# KiCad board backplane.kicad_pcb (continued)
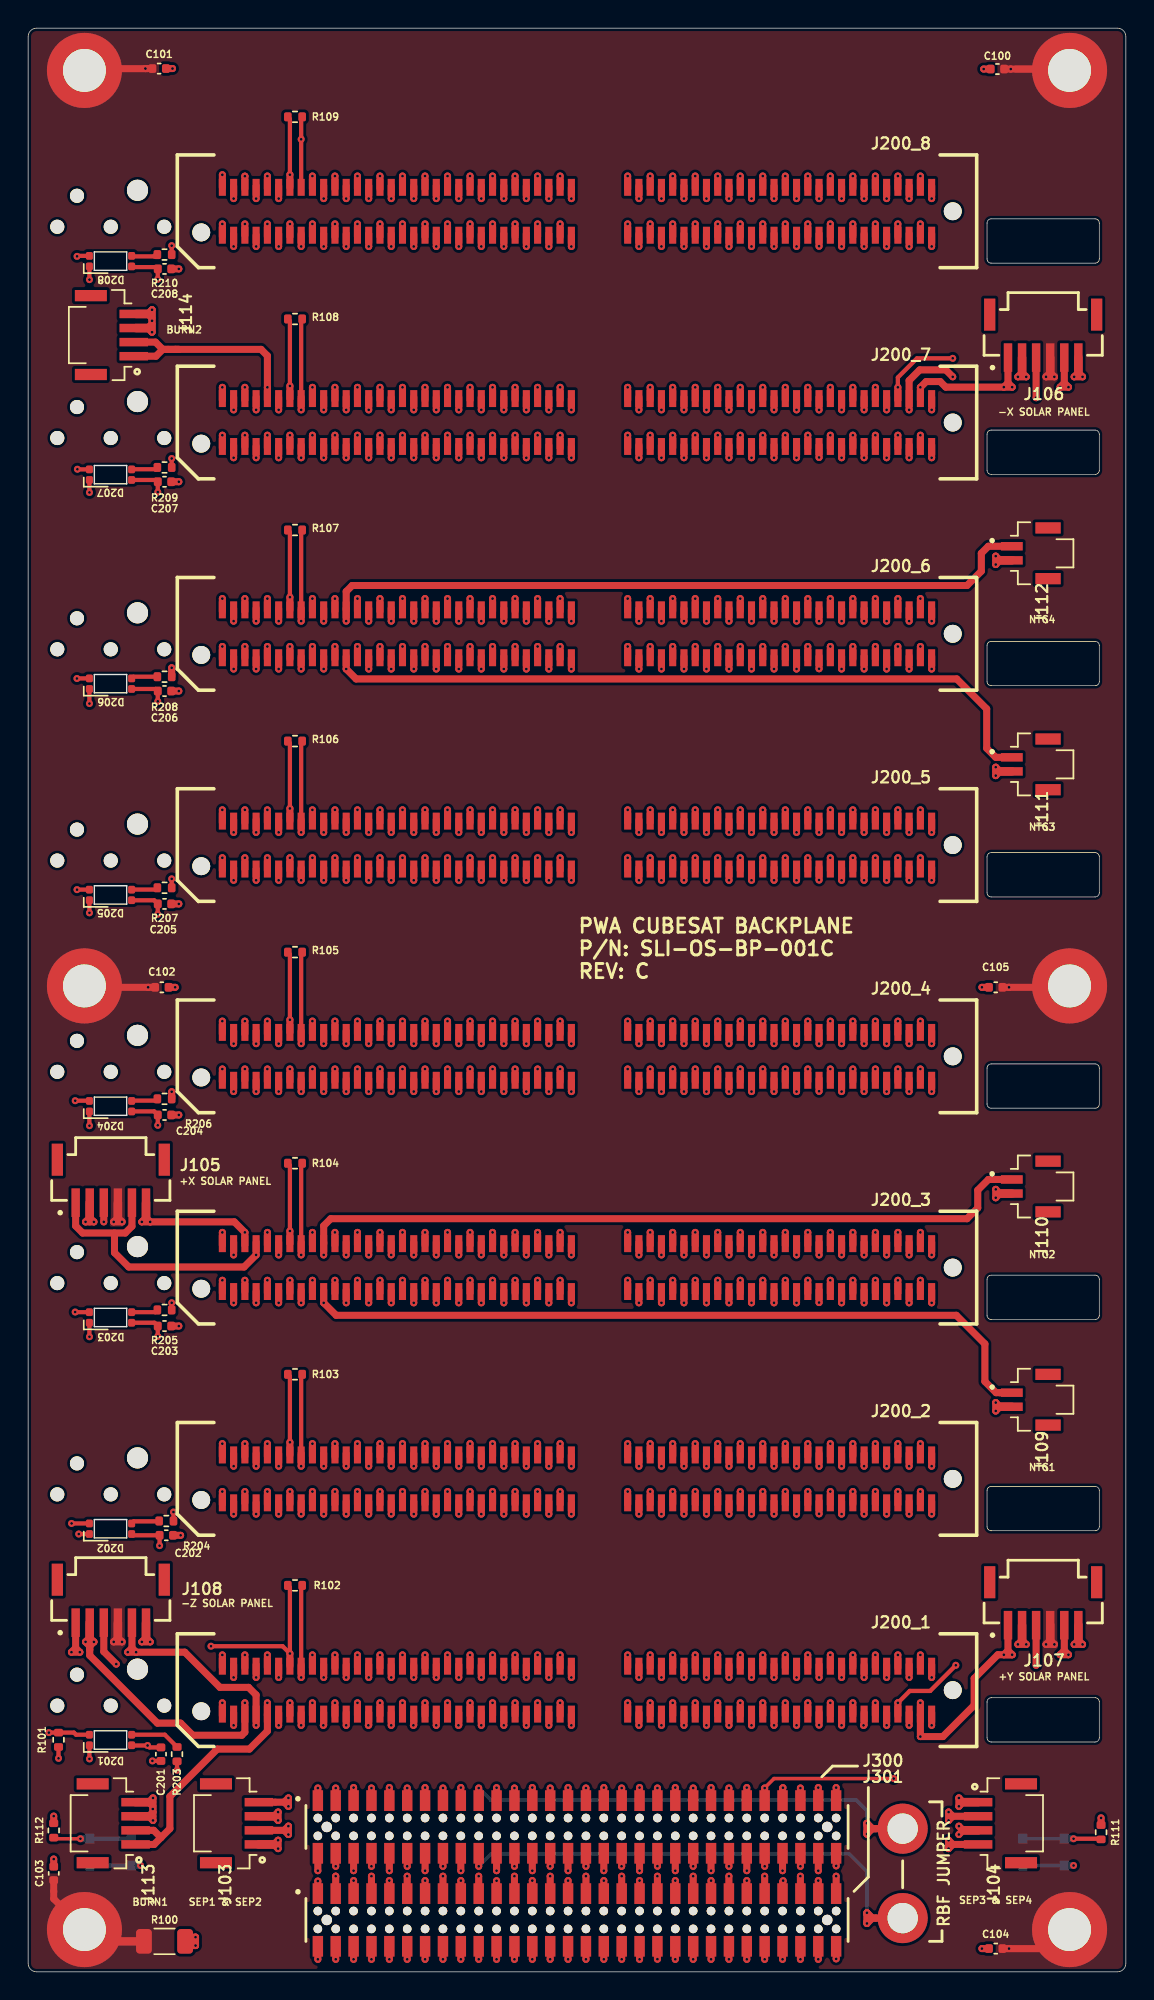
[diagram p0: board, top side]
## Nets (continued)
/H2-24: J200_1.56 J200_2.56 J200_3.56 J200_4.56 J200_5.56 J200_6.56 J200_7.56 J200_8.56 J301.28
/H2-25: J200_1.59 J200_2.59 J200_3.59 J200_4.59 J200_5.59 J200_6.59 J200_7.59 J200_8.59 J301.29
/H2-26: J200_1.60 J200_2.60 J200_3.60 J200_4.60 J200_5.60 J200_6.60 J200_7.60 J200_8.60 J301.30
/H2-27: J200_1.63 J200_2.63 J200_3.63 J200_4.63 J200_5.63 J200_6.63 J200_7.63 J200_8.63 J301.31
/H2-28: J200_1.64 J200_2.64 J200_3.64 J200_4.64 J200_5.64 J200_6.64 J200_7.64 J200_8.64 J301.32
/H2-33: J200_1.75 J200_2.75 J200_3.75 J200_4.75 J200_5.75 J200_6.75 J200_7.75 J200_8.75 J301.37
/H2-34: J200_1.76 J200_2.76 J200_3.76 J200_4.76 J200_5.76 J200_6.76 J200_7.76 J200_8.76 J301.38
/H2-35: J200_1.79 J200_2.79 J200_3.79 J200_4.79 J200_5.79 J200_6.79 J200_7.79 J200_8.79 J301.39
/H2-36: J200_1.80 J200_2.80 J200_3.80 J200_4.80 J200_5.80 J200_6.80 J200_7.80 J200_8.80 J301.40
/H2-37: J200_1.83 J200_2.83 J200_3.83 J200_4.83 J200_5.83 J200_6.83 J200_7.83 J200_8.83 J301.41
/H2-38: J200_1.84 J200_2.84 J200_3.84 J200_4.84 J200_5.84 J200_6.84 J200_7.84 J200_8.84 J301.42
/H2-39: J200_1.87 J200_2.87 J200_3.87 J200_4.87 J200_5.87 J200_6.87 J200_7.87 J200_8.87 J301.43
/H2-40: J200_1.88 J200_2.88 J200_3.88 J200_4.88 J200_5.88 J200_6.88 J200_7.88 J200_8.88 J301.44
/H2-41: J200_1.91 J200_2.91 J200_3.91 J200_4.91 J200_5.91 J200_6.91 J200_7.91 J200_8.91 J301.45
/H2-42: J200_1.92 J200_2.92 J200_3.92 J200_4.92 J200_5.92 J200_6.92 J200_7.92 J200_8.92 J301.46
/H2-43: J200_1.95 J200_2.95 J200_3.95 J200_4.95 J200_5.95 J200_6.95 J200_7.95 J200_8.95 J301.47
/H2-44: J200_1.96 J200_2.96 J200_3.96 J200_4.96 J200_5.96 J200_6.96 J200_7.96 J200_8.96 J301.48
/H2-45: J200_1.99 J200_2.99 J200_3.99 J200_4.99 J200_5.99 J200_6.99 J200_7.99 J200_8.99 J301.49
/H2-46: J200_1.100 J200_2.100 J200_3.100 J200_4.100 J200_5.100 J200_6.100 J200_7.100 J200_8.100 J301.50
/H2-49: J200_1.107 J200_2.107 J200_3.107 J200_4.107 J200_5.107 J200_6.107 J200_7.107 J200_8.107 J301.53
/H2-50: J200_1.108 J200_2.108 J200_3.108 J200_4.108 J200_5.108 J200_6.108 J200_7.108 J200_8.108 J301.54
/LED_PWR: C201.1 C202.1 C203.1 C204.1 C205.1 C206.1 C207.1 C208.1 D201.4 D202.4 D203.4 D204.4 D205.4 D206.4 D207.4 D208.4 J200_1.15 J200_2.15 J200_3.15 J200_4.15 J200_5.15 J200_6.15 J200_7.15 J200_8.15 J301.7
/NTC1: J109.1 J200_1.19 J200_2.19 J200_3.19 J200_4.19 J200_5.19 J200_6.19 J200_7.19 J200_8.19 J301.9
/NTC2: J110.1 J200_1.20 J200_2.20 J200_3.20 J200_4.20 J200_5.20 J200_6.20 J200_7.20 J200_8.20 J301.10
/NTC3: J111.1 J200_1.23 J200_2.23 J200_3.23 J200_4.23 J200_5.23 J200_6.23 J200_7.23 J200_8.23 J301.11
/NTC4: J112.1 J200_1.24 J200_2.24 J200_3.24 J200_4.24 J200_5.24 J200_6.24 J200_7.24 J200_8.24 J301.12
/RBF: J200_1.37 J200_2.37 J200_3.37 J200_4.37 J200_5.37 J200_6.37 J200_7.37 J200_8.37 J300.19 P100.1
/RBF_RET: J200_1.38 J200_2.38 J200_3.38 J200_4.38 J200_5.38 J200_6.38 J200_7.38 J200_8.38 J300.20 P101.1
/SELF_TEST: J200_1.101 J200_2.101 J200_3.101 J200_4.101 J200_5.101 J200_6.101 J200_7.101 J200_8.101 J300.51 R111.2
/SEP1: J103.1 J200_1.1 J200_2.1 J200_3.1 J200_4.1 J200_5.1 J200_6.1 J200_7.1 J200_8.1 J300.1
/SEP1_RET: J103.2 J200_1.13 J200_2.13 J200_3.13 J200_4.13 J200_5.13 J200_6.13 J200_7.13 J200_8.13 J300.7
/SEP2: J103.3 J200_1.2 J200_2.2 J200_3.2 J200_4.2 J200_5.2 J200_6.2 J200_7.2 J200_8.2 J300.2
/SEP2_RET: J103.4 J200_1.12 J200_2.12 J200_3.12 J200_4.12 J200_5.12 J200_6.12 J200_7.12 J200_8.12 J301.6
/SEP3: J104.1 J200_1.119 J200_2.119 J200_3.119 J200_4.119 J200_5.119 J200_6.119 J200_7.119 J200_8.119 J301.59
/SEP3_RET: J104.2 J200_1.111 J200_2.111 J200_3.111 J200_4.111 J200_5.111 J200_6.111 J200_7.111 J200_8.111 J301.55
/SEP4: J104.3 J200_1.120 J200_2.120 J200_3.120 J200_4.120 J200_5.120 J200_6.120 J200_7.120 J200_8.120 J301.60
/SEP4_RET: J104.4 J200_1.112 J200_2.112 J200_3.112 J200_4.112 J200_5.112 J200_6.112 J200_7.112 J200_8.112 J301.56
/VBURN1: J113.1 J113.2 J200_1.9 J200_2.9 J200_3.9 J200_4.9 J200_5.9 J200_6.9 J200_7.9 J200_8.9 J300.5
/VBURN2: J114.1 J114.2 J200_1.10 J200_2.10 J200_3.10 J200_4.10 J200_5.10 J200_6.10 J200_7.10 J200_8.10 J300.6
Net-(D201-DIN): D201.3 R203.2
Net-(D202-DIN): D202.3 R204.2
Net-(D202-DOUT): D202.2 R203.1
Net-(D203-DIN): D203.3 R205.2
Net-(D203-DOUT): D203.2 R204.1
Net-(D204-DIN): D204.3 R206.2
Net-(D204-DOUT): D204.2 R205.1
Net-(D205-DIN): D205.3 R207.2
Net-(D205-DOUT): D205.2 R206.1
Net-(D206-DIN): D206.3 R208.2
Net-(D206-DOUT): D206.2 R207.1
Net-(D207-DIN): D207.3 R209.2
Net-(D207-DOUT): D207.2 R208.1
Net-(D208-DIN): D208.3 R210.1
Net-(D208-DOUT): D208.2 R209.1
Net-(R111-Pad1): R111.1 SW101.2
Net-(R112-Pad1): R112.1 SW100.2

Pads without a net: J103 G1 G2; J104 G1 G2; J105 S1 S2; J106 S1 S2; J107 S1 S2; J108 S1 S2; J109 S1 S2; J110 S1 S2; J111 S1 S2; J112 S1 S2; J113 G1 G2; J114 G1 G2

## Via types
v1: diameter 0.5, hole 0.2, Top to Bottom, 1220 vias

## Routing (per net, layer and track width the routed paths; a pad name or vN(x,y) marks a point on that pad's centre or on a via; arc(x,y) is an arc through that point)
/5V_USB: length 134.5
  Top w0.5: v1(44.2,127.5) 44.2,126.6 ; v1(44.2,22.5) 44.2,21.6 ; v1(42.17,7.49) 42.17,7.5 J300.36 ; v1(44.2,67.5) 44.2,66.6 ; v1(44.2,37.5) 44.2,36.6 ; v1(44.2,52.5) 44.2,51.6 ; v1(44.2,97.5) 44.2,96.6 ; v1(44.2,82.5) 44.2,81.6 ; v1(44.2,112.5) 44.2,111.6
  In3.Cu w0.25: v1(44.2,22.5) 44.2,19.95 44.78,19.38 44.78,18.67 44.42,18.31 44.42,17.23 41.54,14.35 41.54,8.13 42.17,7.49
  In3.Cu w0.5: v1(44.2,127.5) 44.2,125.5 45,124.65 45,123.67 44.2,122.87 v1(44.2,112.5) 44.2,110.5 45,109.65 45,108.67 44.2,107.87 v1(44.2,97.5) 44.2,95.5 45,94.65 45,93.67 44.2,92.87 v1(44.2,82.5) 44.2,80.5 45,79.65 45,78.67 44.2,77.87 v1(44.2,67.5) 44.2,65.5 45,64.65 45,63.67 44.2,62.87 v1(44.2,52.5) 44.2,50.5 45,49.65 45,48.67 44.2,47.87 v1(44.2,37.5) 44.2,35.5 45,34.65 45,33.67 44.2,32.87 v1(44.2,22.5)
/AGND: length 130.7
  Top w0.5: v1(45,122.5) 45,123.4 ; v1(45,17.5) 45,18.4 ; v1(45,92.5) 45,93.4 ; v1(45,107.5) 45,108.4 ; v1(45,62.5) 45,63.4 ; J301.35 42.17,6.79 ; v1(45,77.5) 45,78.4 ; v1(45,32.5) 45,33.4 ; v1(45,47.5) 45,48.4
  In4.Cu w0.25: v1(42.17,6.79) 41.82,6.79 41.54,7.07 41.54,14.04 v1(45,17.5)
  In4.Cu w0.5: v1(45,17.5) 45,19.47 44.2,20.28 44.2,21.3 45,22.1 v1(45,32.5) 45,34.47 44.2,35.28 44.2,36.3 45,37.1 45,47.5 ; v1(45,47.5) 45,49.48 44.2,50.28 44.2,51.3 45,52.1 v1(45,62.5) 45,64.48 44.2,65.28 44.2,66.3 45,67.1 v1(45,77.5) 45,79.48 44.2,80.28 44.2,81.3 45,82.1 v1(45,92.5) 45,94.48 44.2,95.28 44.2,96.3 45,97.1 v1(45,107.5) 45,109.48 44.2,110.28 44.2,111.3 45,112.1 v1(45,122.5)
GND: length 1009.5
  Top w0.25: 4.35,105.04 v1(4.36,105.03) ; 4.35,120.15 v1(4.36,120.15) ; 4.35,90.05 v1(4.36,90.05) ; 4.35,15.12 v1(4.36,15.12) ; 4.35,45.09 v1(4.36,45.09) ; 4.35,75.19 v1(4.36,75.19) ; 4.35,60.08 v1(4.36,60.08)
  Top w0.3: D201.1 4.35,15.12 ; D205.1 4.35,75.19 ; v1(3.59,31.09) D202.1 ; D208.1 4.35,120.15 ; D207.1 4.35,105.04 ; D206.1 4.35,90.05 ; v1(8.83,14.97) C201.2 ; D203.1 4.35,45.09 ; D204.1 4.35,60.08
  Top w0.5: v1(27.4,125.9) 27.4,126.8 ; v1(27.4,122.5) 27.4,123.4 ; v1(27.4,20.9) 27.4,21.8 ; v1(27.4,32.5) 27.4,33.4 ; v1(45,20.9) 45,21.8 ; v1(57.8,17.5) 57.8,18.4 ; v1(57.8,20.9) 57.8,21.8 ; v1(43.4,20.9) 43.4,21.8 ; v1(43.4,17.5) 43.4,18.4 ; J301.17 v1(30.75,6.48) ; J301.33 v1(40.91,6.48) ; J301.36 v1(42.17,0.89) ; J301.52 v1(52.33,0.89) ; v1(43.4,47.5) 43.4,48.4 ; v1(27.37,17.5) 27.4,17.53 27.4,18.4 ; C202.2 v1(10.83,30.99) ; v1(11.89,2.46) 11.45,2.46 ; v1(11.89,2.46) 11.6,2.16 v1(11.89,1.87) ; v1(11.89,2.46) v1(11.89,1.87) ; C204.2 v1(10.71,60.84) ; v1(43.4,65.9) 43.4,66.8 ; v1(67.77,1.65) C104.1 ; 8.86,12.05 J113.4 ; v1(27.4,95.9) 27.4,96.8 ; v1(43.4,80.9) 43.4,81.8 ; v1(45,110.9) 45,111.8 ; v1(57.8,110.9) 57.8,111.8 ; 8.86,11.05 J113.3 ; v1(43.4,125.9) 43.4,126.8 ; v1(27.4,107.5) 27.4,108.4 ; v1(43.4,110.9) 43.4,111.8 ; v1(67.77,69.9) C105.1 ; v1(57.8,107.5) 57.8,108.4 ; C103.1 v1(1.82,8.01) ; v1(45,80.9) 45,81.8 ; v1(57.8,50.9) 57.8,51.8 ; 8.87,11.75 8.57,12.05 v1(8.87,12.34) v1(8.87,10.75) 8.57,11.05 8.87,11.34 ; v1(43.4,107.5) 43.4,108.4 ; v1(57.8,62.5) 57.8,63.4 ; v1(8.8,118.01) 8.8,116.46 ; v1(8.8,118.01) 8.51,117.71 8.8,117.41 v1(8.8,118.01) ; C208.2 v1(10.71,120.91) ; v1(67.9,135.1) C100.1 ; v1(27.4,47.5) 27.4,48.4 ; v1(43.4,62.5) 43.4,63.4 ; v1(57.8,122.5) 57.8,123.4 ; v1(11.89,1.87) 11.45,1.87 ; v1(27.4,62.5) 27.4,63.4 ; C207.2 v1(10.71,105.8) ; v1(45,50.9) 45,51.8 ; v1(57.8,92.5) 57.8,93.4 ; v1(57.8,95.9) 57.8,96.8 ; v1(27.4,80.9) 27.4,81.8 ; v1(45,35.9) 45,36.8 ; v1(43.4,32.5) 43.4,33.4 ; v1(10.26,135.13) C101.1 ; v1(43.4,95.9) 43.4,96.8 ; 68.75,100.22 J112.2 ; v1(27.4,110.9) 27.4,111.8 ; v1(43.4,92.5) 43.4,93.4 ; v1(27.4,35.9) 27.4,36.8 ; v1(27.4,50.9) 27.4,51.8 ; J301.34 v1(40.91,0.89) ; v1(27.4,92.5) 27.4,93.4 ; v1(43.4,77.5) 43.4,78.4 ; C203.2 v1(10.71,45.85) ; J301.51 52.33,6.79 ; v1(57.8,47.5) 57.8,48.4 ; v1(43.4,122.5) 43.4,123.4 ; v1(57.8,77.5) 57.8,78.4 ; v1(45,95.9) 45,96.8 ; v1(57.8,35.9) 57.8,36.8 ; v1(43.4,50.9) 43.4,51.8 ; v1(57.8,80.9) 57.8,81.8 ; v1(27.4,65.9) 27.4,66.8 ; J301.18 v1(30.75,0.89) ; v1(27.4,77.5) 27.4,78.4 ; v1(45,65.9) 45,66.8 ; v1(43.4,35.9) 43.4,36.8 ; C206.2 v1(10.71,90.94) ; v1(10.45,69.9) C102.1 ; C205.2 v1(10.71,75.82) ; v1(57.8,65.9) 57.8,66.8 ; 8.42,116.72 7.28,116.72 ; v1(57.8,32.5) 57.8,33.4 ; 68.75,85.23 J111.2 ; v1(57.8,125.9) 57.8,126.8 ; v1(45,125.9) 45,126.8 ; v1(68.75,100.51) 69.05,100.22 v1(68.75,99.92) v1(68.75,100.51) ; v1(68.75,55.56) 69.05,55.26 v1(68.75,54.96) v1(68.75,55.56) ; v1(68.75,84.93) 69.05,85.23 v1(68.75,85.53) v1(68.75,84.93) ; v1(68.75,39.82) 69.05,40.12 v1(68.75,40.42) v1(68.75,39.82) ; v1(8.8,116.41) 8.8,117.01 8.51,116.71 v1(8.8,116.41)
  Top w0.6: 8.51,117.71 7.66,117.71 ; 69.05,100.22 J112.2 ; 8.51,116.71 7.66,116.71 ; 69.05,40.12 J109.2 ; 69.05,85.23 J111.2 ; 69.05,55.26 J110.2 ; 8.7,11.05 J113.3 ; 8.7,12.05 J113.4
  In2.Cu w0.25: v1(43.4,20.9) 43.4,18.94 40.27,15.81 40.27,11.68 ; v1(57.8,20.9) 57.8,18.94 56.91,18.05 56.91,17.37 56.01,16.47 54.9,16.47 51.7,13.27 51.7,1.52 v1(52.33,0.89) ; 41.54,11.69 41.54,14.48 44.42,17.36 44.42,18.12 45,18.7 v1(45,20.9) ; 41.54,11.69 41.54,12.99 ; 41.54,11.69 41.54,1.52 v1(42.17,0.89) ; 40.27,11.68 40.27,1.52 v1(40.91,0.89) ; 40.27,11.68 40.27,12.99 ; v1(27.4,20.9) 27.4,18.94 27.95,18.39 27.95,17.65 30.11,15.49 30.11,1.52 v1(30.75,0.89)
  In2.Cu w0.5: v1(45,125.9) 45,123.68 44.2,122.87 44.2,122.3 45,121.5 v1(45,110.9) ; v1(43.4,125.9) 43.4,123.68 42.6,122.87 42.6,122.3 43.4,121.5 v1(43.4,110.9) ; v1(57.8,125.9) 57.8,123.68 57,122.87 57,122.3 57.8,121.5 v1(57.8,110.9) ; 27.4,110.9 27.4,108.68 26.6,107.87 26.6,107.3 27.4,106.5 v1(27.4,95.9) 27.4,93.68 26.6,92.87 26.6,92.3 27.4,91.5 v1(27.4,80.9) 27.4,78.68 26.6,77.87 26.6,77.3 27.4,76.5 v1(27.4,65.9) 27.4,63.68 26.6,62.87 26.6,62.3 27.4,61.5 v1(27.4,50.9) 27.4,48.68 26.6,47.87 26.6,47.3 27.4,46.5 v1(27.4,35.9) 27.4,33.68 26.6,32.87 26.6,32.3 27.4,31.5 v1(27.4,20.9) ; 57.8,110.9 57.8,108.68 57,107.87 57,107.3 57.8,106.5 v1(57.8,95.9) 57.8,93.68 57,92.87 57,92.3 57.8,91.5 v1(57.8,80.9) 57.8,78.68 57,77.87 57,77.3 57.8,76.5 v1(57.8,65.9) 57.8,63.68 57,62.87 57,62.3 57.8,61.5 v1(57.8,50.9) 57.8,48.68 57,47.87 57,47.3 57.8,46.5 v1(57.8,35.9) 57.8,33.68 57,32.87 57,32.3 57.8,31.5 v1(57.8,20.9) ; 45,110.9 45,108.68 44.2,107.87 44.2,107.3 45,106.5 v1(45,95.9) 45,93.68 44.2,92.87 44.2,92.3 45,91.5 v1(45,80.9) 45,78.68 44.2,77.87 44.2,77.3 45,76.5 v1(45,65.9) 45,63.68 44.2,62.87 44.2,62.3 45,61.5 v1(45,50.9) 45,48.68 44.2,47.87 44.2,47.3 45,46.5 v1(45,35.9) 45,33.68 44.2,32.87 44.2,32.3 45,31.5 v1(45,20.9) ; 43.4,110.9 43.4,108.68 42.6,107.87 42.6,107.3 43.4,106.5 v1(43.4,95.9) 43.4,93.68 42.6,92.87 42.6,92.3 43.4,91.5 v1(43.4,80.9) 43.4,78.68 42.6,77.87 42.6,77.3 43.4,76.5 v1(43.4,65.9) 43.4,63.68 42.6,62.87 42.6,62.3 43.4,61.5 v1(43.4,50.9) 43.4,48.68 42.6,47.87 42.6,47.3 43.4,46.5 v1(43.4,35.9) 43.4,33.68 42.6,32.87 42.6,32.3 43.4,31.5 v1(43.4,20.9) ; v1(27.4,110.9) 27.4,121.5 26.6,122.3 26.6,122.87 27.4,123.68 v1(27.4,125.9)
  In4.Cu w0.25: v1(52.33,6.79) 51.98,6.79 51.7,7.07 51.7,13.27 53.99,15.56 55.86,15.56 v1(57.8,17.5) ; v1(40.91,6.48) 40.55,6.48 40.27,6.76 40.27,14.37 v1(43.4,17.5) ; v1(27.37,17.5) 27.37,16.32 30.11,13.59 30.11,6.76 30.39,6.48 v1(30.75,6.48)
  In4.Cu w0.3: 27.4,17.5 27.4,19.47 26.6,20.28
  In4.Cu w0.5: v1(43.4,17.5) 43.4,19.47 42.6,20.28 42.6,21.3 43.4,22.1 v1(43.4,32.5) 43.4,34.47 42.6,35.28 42.6,36.3 43.4,37.1 43.4,47.5 ; v1(57.8,17.5) 57.8,19.47 57,20.28 57,21.3 57.8,22.1 v1(57.8,32.5) 57.8,34.47 57,35.28 57,36.3 57.8,37.1 57.8,47.5 ; v1(43.4,47.5) 43.4,49.48 42.6,50.28 42.6,51.3 43.4,52.1 v1(43.4,62.5) 43.4,64.48 42.6,65.28 42.6,66.3 43.4,67.1 v1(43.4,77.5) 43.4,79.48 42.6,80.28 42.6,81.3 43.4,82.1 v1(43.4,92.5) 43.4,94.48 42.6,95.28 42.6,96.3 43.4,97.1 v1(43.4,107.5) 43.4,109.48 42.6,110.28 42.6,111.3 43.4,112.1 v1(43.4,122.5) ; v1(57.8,122.5) 57.8,112.1 57,111.3 57,110.28 57.8,109.48 v1(57.8,107.5) 57.8,97.1 57,96.3 57,95.28 57.8,94.48 v1(57.8,92.5) 57.8,82.1 57,81.3 57,80.28 57.8,79.48 v1(57.8,77.5) 57.8,67.1 57,66.3 57,65.28 57.8,64.48 v1(57.8,62.5) 57.8,52.1 57,51.3 57,50.28 57.8,49.48 v1(57.8,47.5) ; 27.4,47.5 27.4,37.1 26.6,36.3 26.6,35.28 27.4,34.47 v1(27.4,32.5) 27.4,22.1 26.6,21.3 26.6,20.28 27.4,19.47 27.4,17.53 v1(27.37,17.5) ; v1(27.4,47.5) 27.4,49.48 26.6,50.28 26.6,51.3 27.4,52.1 v1(27.4,62.5) 27.4,64.48 26.6,65.28 26.6,66.3 27.4,67.1 v1(27.4,77.5) 27.4,79.48 26.6,80.28 26.6,81.3 27.4,82.1 v1(27.4,92.5) 27.4,94.48 26.6,95.28 26.6,96.3 27.4,97.1 v1(27.4,107.5) 27.4,109.48 26.6,110.28 26.6,111.3 27.4,112.1 v1(27.4,122.5)
  Bottom w0.25: SW101.1 SW101.1
  Bottom w0.3: SW100.1 SW100.1
  Bottom w0.5: SW100.1 v1(7.98,7.55) ; SW101.1 v1(74.28,7.55)
  vias: v1(8.8,117.23) v1(8.86,11.56)
/+X_SOLAR_PWR: length 160.3
  Top w0.5: v1(16.2,125.9) 16.2,126.8 ; v1(16.2,20.9) 16.2,21.8 ; J301.4 v1(21.86,0.89) ; v1(16.2,110.9) 16.2,111.8 ; J105.5 7.38,52.93 6.9,52.46 3.87,52.46 3.38,52.96 J105.1 ; v1(16.2,95.9) 16.2,96.8 ; 16.2,51.8 v1(16.2,50.9) 15.34,50.04 7.15,50.04 6.14,51.06 6.14,52.46 ; v1(16.2,80.9) 16.2,81.8 ; v1(16.2,35.9) 16.2,36.8 ; v1(16.2,65.9) 16.2,66.8
  In2.Cu w0.25: v1(16.2,20.9) 16.2,18.94 16.78,18.36 16.78,17.67 19.72,14.72 19.72,2.67 21.5,0.89 v1(21.86,0.89)
  In2.Cu w0.5: v1(16.2,125.9) 16.2,123.68 15.4,122.87 15.4,122.3 16.2,121.5 v1(16.2,110.9) ; 16.2,110.9 16.2,108.68 15.4,107.87 15.4,107.3 16.2,106.5 v1(16.2,95.9) 16.2,93.68 15.4,92.87 15.4,92.3 16.2,91.5 v1(16.2,80.9) 16.2,78.68 15.4,77.87 15.4,77.3 16.2,76.5 v1(16.2,65.9) 16.2,63.68 15.4,62.87 15.4,62.3 16.2,61.5 v1(16.2,50.9) 16.2,48.68 15.4,47.87 15.4,47.3 16.2,46.5 v1(16.2,35.9) 16.2,33.68 15.4,32.87 15.4,32.3 16.2,31.5 v1(16.2,20.9)
/+X_SOLAR_RTN: length 160.7
  Top w0.5: v1(15.4,37.5) 15.4,36.6 ; J300.4 v1(21.86,7.49) ; v1(8.67,53.25) 14.65,53.25 v1(15.4,52.5) 15.4,51.6 ; v1(8.67,53.25) 8.38,53.54 v1(8.08,53.25) v1(8.67,53.25) ; 15.4,126.6 v1(15.4,127.49) ; v1(15.4,22.5) 15.4,21.6 ; v1(15.4,67.5) 15.4,66.6 ; J105.2 4.38,53.25 ; v1(15.4,82.5) 15.4,81.6 ; v1(15.4,112.5) 15.4,111.6 ; v1(15.4,97.5) 15.4,96.6 ; v1(4.08,53.25) 4.38,53.54 v1(4.67,53.25) v1(4.08,53.25)
  Top w0.6: 8.38,53.54 J105.6 ; 4.38,53.54 J105.2
  In2.Cu w0.5: 7.2,52.78 7.26,52.84 7.91,52.84 ; 7.2,52.78 7.67,53.25 v1(8.08,53.25) v1(8.67,53.25) ; 7.2,52.78 6.88,52.46 5.63,52.46 ; v1(8.67,53.25) 8.26,52.84 7.91,52.84 ; v1(8.67,53.25) 9.13,52.79 9.08,52.84 7.91,52.84 ; 5.63,52.46 4.87,52.46 ; 5.63,52.46 5.17,52.46 4.66,52.96 4.61,52.96 ; 4.87,52.46 v1(4.08,53.25) v1(4.67,53.25) 4.67,52.65 4.87,52.46 ; 4.38,53.18 4.38,53.25
  In3.Cu w0.25: v1(15.4,22.5) 15.4,19.95 15.98,19.38 15.98,18.58 17.03,17.53 17.03,16.7 19.8,13.92 19.8,9.54 20.32,9.02 21,9.02 21.86,8.16 v1(21.86,7.49)
  In3.Cu w0.5: v1(15.4,127.49) 15.4,125.45 16.2,124.65 16.2,123.67 15.4,122.87 v1(15.4,112.5) 15.4,110.5 16.2,109.65 16.2,108.67 15.4,107.87 v1(15.4,97.5) 15.4,95.5 16.2,94.65 16.2,93.67 15.4,92.87 v1(15.4,82.5) 15.4,80.5 16.2,79.65 16.2,78.67 15.4,77.87 v1(15.4,67.5) 15.4,65.5 16.2,64.65 16.2,63.67 15.4,62.87 v1(15.4,52.5) 15.4,50.5 16.2,49.65 16.2,48.67 15.4,47.87 v1(15.4,37.5) 15.4,35.5 16.2,34.65 16.2,33.67 15.4,32.87 v1(15.4,22.5)
/+X_SOLAR_TLE: length 152.7
  Top w0.5: v1(14.6,125.9) 14.6,126.8 ; v1(14.6,20.9) 14.6,21.8 ; 20.58,1.81 v1(20.58,0.89) ; v1(14.6,95.9) 14.6,96.8 ; v1(14.6,50.9) 14.6,51.8 ; v1(14.6,35.9) 14.6,36.8 ; v1(14.6,65.9) 14.6,66.8 ; v1(14.6,80.9) 14.6,81.8 ; v1(14.6,110.9) 14.6,111.8 ; J105.3 v1(5.38,53.25)
  In2.Cu w0.25: v1(14.6,20.9) 14.6,18.94 15.5,18.03 15.5,17.34 19.27,13.57 19.27,2.2 v1(20.58,0.89)
  In2.Cu w0.3: v1(14.6,50.9) 12.64,50.9 9.56,53.98 5.63,53.98 5.38,53.73 v1(5.38,53.25)
  In2.Cu w0.5: v1(14.6,125.9) 14.6,123.68 13.8,122.87 13.8,122.3 14.6,121.5 v1(14.6,110.9) ; 14.6,110.9 14.6,108.68 13.8,107.87 13.8,107.3 14.6,106.5 v1(14.6,95.9) 14.6,93.68 13.8,92.87 13.8,92.3 14.6,91.5 v1(14.6,80.9) 14.6,78.68 13.8,77.87 13.8,77.3 14.6,76.5 v1(14.6,65.9) 14.6,63.68 13.8,62.87 13.8,62.3 14.6,61.5 v1(14.6,50.9) 14.6,48.68 13.8,47.87 13.8,47.3 14.6,46.5 v1(14.6,35.9) 14.6,33.68 13.8,32.87 13.8,32.3 14.6,31.5 v1(14.6,20.9)
/+Y_SOLAR_PWR: length 147.7
  Top w0.5: v1(63.4,124.1) 63.4,123.2 ; v1(63.4,19.1) 63.4,18.2 ; 57.42,12.16 v1(57.42,13.08) ; v1(69.92,22.51) v1(69.33,22.51) 69.62,22.81 v1(69.92,22.51) ; v1(69.92,22.51) 68.9,22.51 67.22,20.83 67.22,18.93 65,16.7 v1(63.4,16.7) J200_1.117 ; v1(63.4,49.1) 63.4,48.2 ; v1(63.4,109.1) 63.4,108.2 ; v1(63.4,94.1) 63.4,93.2 ; v1(63.4,79.1) 63.4,78.2 ; v1(63.4,64.1) 63.4,63.2 ; 73.62,22.94 J107.5 ; v1(63.4,34.1) 63.4,33.2 ; 69.62,22.94 J107.1 ; v1(73.33,22.51) 73.62,22.81 v1(73.92,22.51) v1(73.33,22.51)
  In1.Cu w0.25: v1(57.42,13.08) 58.43,13.08 62.05,16.7 v1(63.4,16.7)
  In1.Cu w0.5: v1(63.4,19.1) 63.4,21.3 64.2,22.1 64.2,31.5 63.4,32.3 v1(63.4,34.1) 63.4,36.3 64.2,37.1 64.2,46.5 ; v1(69.33,22.51) v1(73.92,22.51) ; 64.2,46.5 63.4,47.3 v1(63.4,49.1) 63.4,51.3 64.2,52.1 64.2,61.5 63.4,62.3 v1(63.4,64.1) 63.4,66.3 64.2,67.1 64.2,76.5 63.4,77.3 v1(63.4,79.1) 63.4,81.3 64.2,82.1 64.2,91.5 63.4,92.3 v1(63.4,94.1) 63.4,96.3 64.2,97.1 64.2,106.5 63.4,107.3 v1(63.4,109.1) 63.4,111.3 64.2,112.1 64.2,121.5 63.4,122.3 v1(63.4,124.1)
/+Y_SOLAR_RTN: length 161
  Top w0.5: v1(62.6,122.5) 62.6,123.4 ; v1(62.6,17.5) 62.6,18.4 ; J301.57 v1(56.14,6.48) ; v1(62.6,77.5) 62.6,78.4 ; v1(62.6,92.5) 62.6,93.4 ; v1(62.6,47.5) 62.6,48.4 ; v1(62.6,107.5) 62.6,108.4 ; v1(62.6,32.5) 62.6,33.4 ; v1(62.6,62.5) 62.6,63.4 ; v1(70.92,23.25) 70.62,23.54 v1(70.33,23.25) v1(70.92,23.25) ; v1(74.92,23.25) 74.62,23.54 v1(74.33,23.25) v1(74.92,23.25)
  Top w0.6: 74.62,23.54 J107.6 ; 70.62,23.54 J107.2
  In1.Cu w0.5: v1(70.33,23.25) 71.03,23.95 72.43,23.95 ; 72.43,23.95 73.62,23.95 v1(74.33,23.25) v1(74.92,23.25) 74.22,23.95 72.43,23.95 ; 72.43,23.95 71.63,23.95 v1(70.92,23.25) 68.37,23.25 67.35,22.23 67.35,19.44 66.31,18.4 63.49,18.4 v1(62.6,17.5)
  In4.Cu w0.25: v1(62.6,17.5) 61.82,17.5 58.16,13.84 56.05,13.84 55.51,13.3 55.51,6.76 55.79,6.48 v1(56.14,6.48)
  In4.Cu w0.5: v1(62.6,122.5) 62.6,112.1 61.8,111.3 61.8,110.28 62.6,109.48 v1(62.6,107.5) 62.6,97.1 61.8,96.3 61.8,95.28 62.6,94.48 v1(62.6,92.5) 62.6,82.1 61.8,81.3 61.8,80.28 62.6,79.48 v1(62.6,77.5) 62.6,67.1 61.8,66.3 61.8,65.28 62.6,64.48 v1(62.6,62.5) 62.6,52.1 61.8,51.3 61.8,50.28 62.6,49.48 v1(62.6,47.5) ; v1(62.6,17.5) 62.6,19.47 61.8,20.28 61.8,21.3 62.6,22.1 v1(62.6,32.5) 62.6,34.47 61.8,35.28 61.8,36.3 62.6,37.1 62.6,47.5
/+Y_SOLAR_TLE: length 140.6
  Top w0.3: v1(65.92,21.77) 64.1,19.94 62.64,19.94 v1(61.8,19.1)
  Top w0.5: v1(61.8,124.1) 61.8,123.2 ; v1(61.8,19.1) 61.8,18.2 ; J300.57 v1(56.14,13.08) ; v1(61.8,34.1) 61.8,33.2 ; v1(61.8,79.1) 61.8,78.2 ; v1(61.8,109.1) 61.8,108.2 ; v1(61.8,49.1) 61.8,48.2 ; v1(71.62,21.77) J107.3 ; v1(61.8,64.1) 61.8,63.2 ; v1(61.8,94.1) 61.8,93.2
  In1.Cu w0.25: v1(61.8,19.1) 61.8,17.45 59.46,15.1 58.17,15.1 v1(56.14,13.08)
  In1.Cu w0.5: v1(61.8,124.1) 61.8,122.3 62.6,121.5 62.6,112.1 61.8,111.3 v1(61.8,109.1) 61.8,107.3 62.6,106.5 62.6,97.1 61.8,96.3 v1(61.8,94.1) 61.8,92.3 62.6,91.5 62.6,82.1 61.8,81.3 v1(61.8,79.1) 61.8,77.3 62.6,76.5 62.6,67.1 61.8,66.3 v1(61.8,64.1) 61.8,62.3 62.6,61.5 62.6,52.1 61.8,51.3 v1(61.8,49.1) 61.8,47.3 62.6,46.5 ; v1(61.8,19.1) 61.8,21.3 62.6,22.1 62.6,31.5 61.8,32.3 v1(61.8,34.1) 61.8,36.3 62.6,37.1 62.6,46.5
  In2.Cu w0.3: v1(65.92,21.77) v1(71.62,21.77)
/-X_SOLAR_PWR: length 153.9
  Top w0.5: v1(63.4,22.5) 63.4,21.6 ; 57.42,8.42 v1(57.42,7.53) ; 73.62,112.94 J106.5 ; 69.62,112.94 J106.1 ; v1(69.33,112.51) 69.62,112.81 v1(69.92,112.51) v1(69.33,112.51) ; v1(69.33,112.51) 65.2,112.51 64.81,112.91 63.81,112.91 v1(63.4,112.5) 63.4,111.6 ; v1(63.4,52.5) 63.4,51.6 ; v1(63.4,82.5) 63.4,81.6 ; v1(63.4,97.5) 63.4,96.6 ; v1(63.4,67.5) 63.4,66.6 ; v1(63.4,37.5) 63.4,36.6 ; v1(63.4,127.5) 63.4,126.6 ; v1(73.92,112.51) 73.62,112.81 v1(73.33,112.51) v1(73.92,112.51)
  In2.Cu w0.5: v1(69.33,112.51) v1(73.92,112.51)
  In3.Cu w0.25: v1(57.42,7.53) 57.42,7.88 58.65,9.11 58.65,12.16 62.43,15.94 63.49,15.94 64.78,17.22 64.78,18.58 63.4,19.95 v1(63.4,22.5)
  In3.Cu w0.5: v1(63.4,22.5) 63.4,32.87 64.2,33.67 64.2,34.65 63.4,35.5 v1(63.4,37.5) 63.4,47.87 64.2,48.67 64.2,49.65 63.4,50.5 v1(63.4,52.5) 63.4,62.87 64.2,63.67 64.2,64.65 63.4,65.5 v1(63.4,67.5) 63.4,77.87 64.2,78.67 64.2,79.65 63.4,80.5 v1(63.4,82.5) 63.4,92.87 64.2,93.67 64.2,94.65 63.4,95.5 v1(63.4,97.5) 63.4,107.87 64.2,108.67 64.2,109.65 63.4,110.5 v1(63.4,112.5) 63.4,122.87 64.2,123.67 64.2,124.65 63.4,125.5 v1(63.4,127.5)
/-X_SOLAR_RTN: length 167.3
  Top w0.5: v1(62.6,20.9) 62.6,21.8 ; J301.58 v1(56.14,0.89) ; v1(62.6,50.9) 62.6,51.8 ; v1(62.6,125.9) 62.6,126.8 ; v1(65.7,113.25) 65.21,113.74 63.35,113.74 62.6,112.99 v1(62.6,110.9) ; v1(62.6,65.9) 62.6,66.8 ; v1(62.6,35.9) 62.6,36.8 ; v1(62.6,80.9) 62.6,81.8 ; v1(62.6,95.9) 62.6,96.8 ; v1(70.33,113.25) 70.62,113.54 v1(70.92,113.25) v1(70.33,113.25) ; v1(74.33,113.25) 74.62,113.54 v1(74.92,113.25) v1(74.33,113.25)
  Top w0.6: 70.62,113.54 J106.2 ; 74.62,113.54 J106.6
  In2.Cu w0.25: v1(62.6,20.9) 62.6,18.94 62.02,18.36 62.02,17.43 58.94,14.35 56.56,14.35 55.51,13.3 55.51,1.52 v1(56.14,0.89)
  In2.Cu w0.5: v1(62.6,125.9) 62.6,123.68 61.8,122.87 61.8,122.3 62.6,121.5 v1(62.6,110.9) ; 62.6,110.9 62.6,108.68 61.8,107.87 61.8,107.3 62.6,106.5 v1(62.6,95.9) 62.6,93.68 61.8,92.87 61.8,92.3 62.6,91.5 v1(62.6,80.9) 62.6,78.68 61.8,77.87 61.8,77.3 62.6,76.5 v1(62.6,65.9) 62.6,63.68 61.8,62.87 61.8,62.3 62.6,61.5 v1(62.6,50.9) 62.6,48.68 61.8,47.87 61.8,47.3 62.6,46.5 v1(62.6,35.9) 62.6,33.68 61.8,32.87 61.8,32.3 62.6,31.5 v1(62.6,20.9) ; v1(70.33,113.25) 71.13,114.05 72.56,114.05 ; v1(70.33,113.25) v1(65.7,113.25) ; v1(70.33,113.25) v1(70.92,113.25) 71.73,114.05 72.56,114.05 ; 72.56,114.05 74.12,114.05 v1(74.92,113.25) v1(74.33,113.25) 73.52,114.05 72.56,114.05
/-X_SOLAR_TLE: length 155.3
  Top w0.3: v1(65.7,114.56) 63.16,114.56 61.8,113.2 v1(61.8,112.5)
  Top w0.5: v1(61.8,22.5) 61.8,21.6 ; J300.58 v1(56.14,7.18) ; v1(71.62,111.77) J106.3 ; v1(61.8,37.5) 61.8,36.6 ; v1(61.8,52.5) 61.8,51.6 ; v1(61.8,127.5) 61.8,126.6 ; v1(61.8,82.5) 61.8,81.6 ; v1(61.8,112.5) 61.8,111.6 ; v1(61.8,67.5) 61.8,66.6 ; v1(61.8,97.5) 61.8,96.6
  In2.Cu w0.3: v1(71.62,111.77) 65.83,111.77 65.09,112.5 65.09,113.96 v1(65.7,114.56)
  In3.Cu w0.25: v1(56.14,7.18) 55.51,7.81 55.51,13.3 56.64,14.43 59.28,14.43 62.02,17.17 62.02,18.26 62.38,18.62 62.38,19.38 61.8,19.95 v1(61.8,22.5)
  In3.Cu w0.5: v1(61.8,22.5) 61.8,32.87 62.6,33.67 62.6,34.65 61.8,35.5 v1(61.8,37.5) 61.8,47.87 62.6,48.67 62.6,49.65 61.8,50.5 v1(61.8,52.5) 61.8,62.87 62.6,63.67 62.6,64.65 61.8,65.5 v1(61.8,67.5) 61.8,77.87 62.6,78.67 62.6,79.65 61.8,80.5 v1(61.8,82.5) 61.8,92.87 62.6,93.67 62.6,94.65 61.8,95.5 v1(61.8,97.5) 61.8,107.87 62.6,108.67 62.6,109.65 61.8,110.5 v1(61.8,112.5) 61.8,122.87 62.6,123.67 62.6,124.65 61.8,125.5 v1(61.8,127.5)
/-Z_SOLAR_PWR: length 152.9
  Top w0.5: v1(16.2,47.5) J200_3.7 ; 7.38,23.12 J108.5 ; v1(7.67,22.69) 7.38,22.99 v1(7.08,22.69) v1(7.67,22.69) ; v1(7.67,22.69) 11.13,22.69 13.63,20.2 15.66,20.2 16.2,19.66 v1(16.2,17.5) ; v1(16.2,122.5) J200_8.7 ; v1(16.2,32.5) J200_2.7 ; J301.3 21.86,6.79 v1(21.85,6.79) ; v1(16.2,92.5) J200_6.7 ; v1(16.2,62.5) J200_4.7 ; v1(16.2,107.5) J200_7.7 ; 3.38,23.12 J108.1 ; v1(16.2,77.5) J200_5.7 ; v1(3.08,22.69) 3.38,22.99 v1(3.67,22.69) v1(3.08,22.69)
  In1.Cu w0.5: v1(3.08,22.69) v1(7.67,22.69)
  In4.Cu w0.25: v1(21.85,6.79) 21.5,6.79 21.16,7.13 21.16,7.8 19.67,9.29 19.67,14.81 16.98,17.5 v1(16.2,17.5)
  In4.Cu w0.5: v1(16.2,122.5) 16.2,112.1 15.4,111.3 15.4,110.28 16.2,109.48 v1(16.2,107.5) 16.2,97.1 15.4,96.3 15.4,95.28 16.2,94.48 v1(16.2,92.5) 16.2,82.1 15.4,81.3 15.4,80.28 16.2,79.48 v1(16.2,77.5) 16.2,67.1 15.4,66.3 15.4,65.28 16.2,64.48 v1(16.2,62.5) 16.2,52.1 15.4,51.3 15.4,50.28 16.2,49.48 v1(16.2,47.5) ; v1(16.2,17.5) 16.2,19.47 15.4,20.28 15.4,21.3 16.2,22.1 v1(16.2,32.5) 16.2,34.47 15.4,35.28 15.4,36.3 16.2,37.1 16.2,47.5
/-Z_SOLAR_RTN: length 160.1
  Top w0.5: J300.3 v1(21.86,13.05) ; v1(15.4,124.1) J200_8.5 ; 4.38,22.87 4.38,22.47 9.18,17.66 10.83,17.66 11.69,16.8 15.18,16.8 15.4,17.02 v1(15.4,19.1) ; 4.38,22.87 4.38,23.35 4.36,23.37 ; 4.38,22.87 4.38,23.13 ; 4.38,23.13 4.67,23.43 v1(4.67,23.43) 4.38,23.72 v1(4.08,23.43) 4.38,23.13 ; v1(15.4,34.1) J200_2.5 ; v1(15.4,79.1) J200_5.5 ; v1(15.4,64.1) J200_4.5 ; v1(15.4,109.1) J200_7.5 ; v1(15.4,94.1) J200_6.5 ; v1(15.4,49.1) J200_3.5 ; v1(8.67,23.43) 8.38,23.72 v1(8.08,23.43) v1(8.67,23.43)
  Top w0.6: 4.38,23.72 J108.2 ; 8.38,23.72 J108.6
  In1.Cu w0.25: v1(21.86,13.05) 21.28,13.63 18.77,13.63 15.4,17 v1(15.4,19.1)
  In1.Cu w0.5: v1(4.67,23.43) 5.38,24.13 6.39,24.13 ; v1(4.67,23.43) 4.67,23.72 5.08,24.13 5.63,24.13 ; v1(4.67,23.43) v1(4.08,23.43) 4.78,24.13 5.63,24.13 ; 5.63,24.13 6.39,24.13 ; 6.39,24.13 7.37,24.13 v1(8.08,23.43) v1(8.67,23.43) 7.97,24.13 6.39,24.13 ; 16.2,46.5 16.2,37.1 15.4,36.3 v1(15.4,34.1) 15.4,32.3 16.2,31.5 16.2,22.1 15.4,21.3 v1(15.4,19.1) ; 16.2,46.5 15.4,47.3 v1(15.4,49.1) 15.4,51.3 16.2,52.1 16.2,61.5 15.4,62.3 v1(15.4,64.1) 15.4,66.3 16.2,67.1 16.2,76.5 15.4,77.3 v1(15.4,79.1) 15.4,81.3 16.2,82.1 16.2,91.5 15.4,92.3 v1(15.4,94.1) 15.4,96.3 16.2,97.1 16.2,106.5 15.4,107.3 v1(15.4,109.1) 15.4,111.3 16.2,112.1 16.2,121.5 15.4,122.3 v1(15.4,124.1)
/-Z_SOLAR_TLE: length 145.7
  Top w0.5: v1(14.6,122.5) 14.6,123.4 ; v1(14.6,17.5) 14.6,18.4 ; 20.58,5.55 v1(20.58,6.44) ; v1(14.6,107.5) 14.6,108.4 ; v1(14.6,92.5) 14.6,93.4 ; v1(14.6,62.5) 14.6,63.4 ; v1(6.26,21.85) 5.38,22.74 J108.3 ; v1(14.6,47.5) 14.6,48.4 ; v1(14.6,77.5) 14.6,78.4 ; v1(14.6,32.5) 14.6,33.4
  In2.Cu w0.3: v1(6.26,21.85) 6.26,20.45 9.21,17.5 v1(14.6,17.5)
  In4.Cu w0.25: v1(20.58,6.44) 20.23,6.44 19.22,7.46 19.22,12.88 v1(14.6,17.5)
  In4.Cu w0.5: v1(14.6,122.5) 14.6,112.1 13.8,111.3 13.8,110.28 14.6,109.48 v1(14.6,107.5) 14.6,97.1 13.8,96.3 13.8,95.28 14.6,94.48 v1(14.6,92.5) 14.6,82.1 13.8,81.3 13.8,80.28 14.6,79.48 v1(14.6,77.5) 14.6,67.1 13.8,66.3 13.8,65.28 14.6,64.48 v1(14.6,62.5) 14.6,52.1 13.8,51.3 13.8,50.28 14.6,49.48 v1(14.6,47.5) ; v1(14.6,17.5) 14.6,19.47 13.8,20.28 13.8,21.3 14.6,22.1 v1(14.6,32.5) 14.6,34.47 13.8,35.28 13.8,36.3 14.6,37.1 14.6,47.5
/BUS_RESET: length 172.8
  Top w0.5: v1(42.6,19.1) 42.6,18.2 ; J300.33 v1(40.91,13.08) ; v1(42.6,49.1) 42.6,48.2 ; v1(42.6,64.1) 42.6,63.2 ; R112.2 v1(1.82,11.05) ; v1(42.6,94.1) 42.6,93.2 ; v1(42.6,34.1) 42.6,33.2 ; v1(42.6,79.1) 42.6,78.2 ; v1(42.6,109.1) 42.6,108.2 ; v1(42.6,124.1) 42.6,123.2
  In1.Cu w0.25: v1(1.82,11.05) 7.15,11.05 8.8,9.4 14.64,9.4 18.45,5.59 25.82,5.59 26.3,6.08 26.3,11.79 26.84,12.32 40.15,12.32 v1(40.91,13.08) 42.6,14.78 v1(42.6,19.1)
  In1.Cu w0.5: 43.4,46.5 43.4,37.1 42.6,36.3 v1(42.6,34.1) 42.6,32.3 43.4,31.5 43.4,22.1 42.6,21.3 v1(42.6,19.1) ; v1(42.6,124.1) 42.6,122.3 43.4,121.5 43.4,112.1 42.6,111.3 v1(42.6,109.1) 42.6,107.3 43.4,106.5 43.4,97.1 42.6,96.3 v1(42.6,94.1) 42.6,92.3 43.4,91.5 43.4,82.1 42.6,81.3 v1(42.6,79.1) 42.6,77.3 43.4,76.5 43.4,67.1 42.6,66.3 v1(42.6,64.1) 42.6,62.3 43.4,61.5 43.4,52.1 42.6,51.3 v1(42.6,49.1) 42.6,47.3 43.4,46.5
/CHS: length 39.3
  Top w0.5: C102.2 v1(8.52,69.9) 4.1,69.9 ; 69.35,135.1 v1(69.82,135.1) 71.5,135.1 ; MH101.1 1.82,5.18 C103.2 ; 70.18,135.1 73.9,135.1 ; 72.65,1.65 v1(69.7,1.65) C104.2 ; 8.33,135.13 v1(8.33,135.13) C101.2 ; 73.9,69.9 v1(69.7,69.9) C105.2 ; 6.27,135.13 8.45,135.13 ; v1(72.92,113.25) 72.62,113.54 v1(72.33,113.25) v1(72.92,113.25) ; v1(6.67,53.25) 6.38,53.54 v1(6.08,53.25) v1(6.67,53.25) ; v1(6.08,23.43) v1(6.67,23.43) 6.38,23.72 v1(6.08,23.43) ; v1(72.33,23.25) 72.62,23.54 v1(72.92,23.25) v1(72.33,23.25)
  Top w0.6: 72.62,23.54 J107.4 ; 6.38,23.72 J108.4 ; 8.18,2.16 4.84,2.16 ; 72.62,113.54 J106.4 ; 6.38,53.54 J105.4
/DIN_LED_1: length 58
  Top w0.3: J200_1.14 18.6,27.29 R102.2 ; v1(12.99,23.12) 18.08,23.12 v1(18.6,22.6) ; v1(2.16,15.16) R101.1
  Top w0.5: J301.8 v1(24.39,0.89) ; v1(18.6,22.6) J200_1.14
  In1.Cu w0.25: v1(2.16,15.16) 3.72,13.59 10.68,13.59 11.22,14.13 11.22,21.34 v1(12.99,23.12)
  In2.Cu w0.25: v1(18.6,22.6) 18.6,20.43 19.34,19.69 19.34,18.67 19.98,18.04 19.98,17.28 23.76,13.49 23.76,1.52 v1(24.39,0.89)
/DIN_LED_2: length 30.9
  Top w0.3: J200_2.14 18.6,42.28 R103.2 ; 19.4,27.37 J200_1.16
  Top w0.5: v1(19.4,20.9) 19.4,21.8 ; v1(18.6,37.6) J200_2.14
  In2.Cu w0.5: v1(19.4,20.9) 19.4,31.5 18.6,32.3 18.6,32.87 19.4,33.68 19.4,34.58 18.6,35.38 v1(18.6,37.6)
